# Altium PCB trussy.PcbDoc (part 1 of 3) (continued)
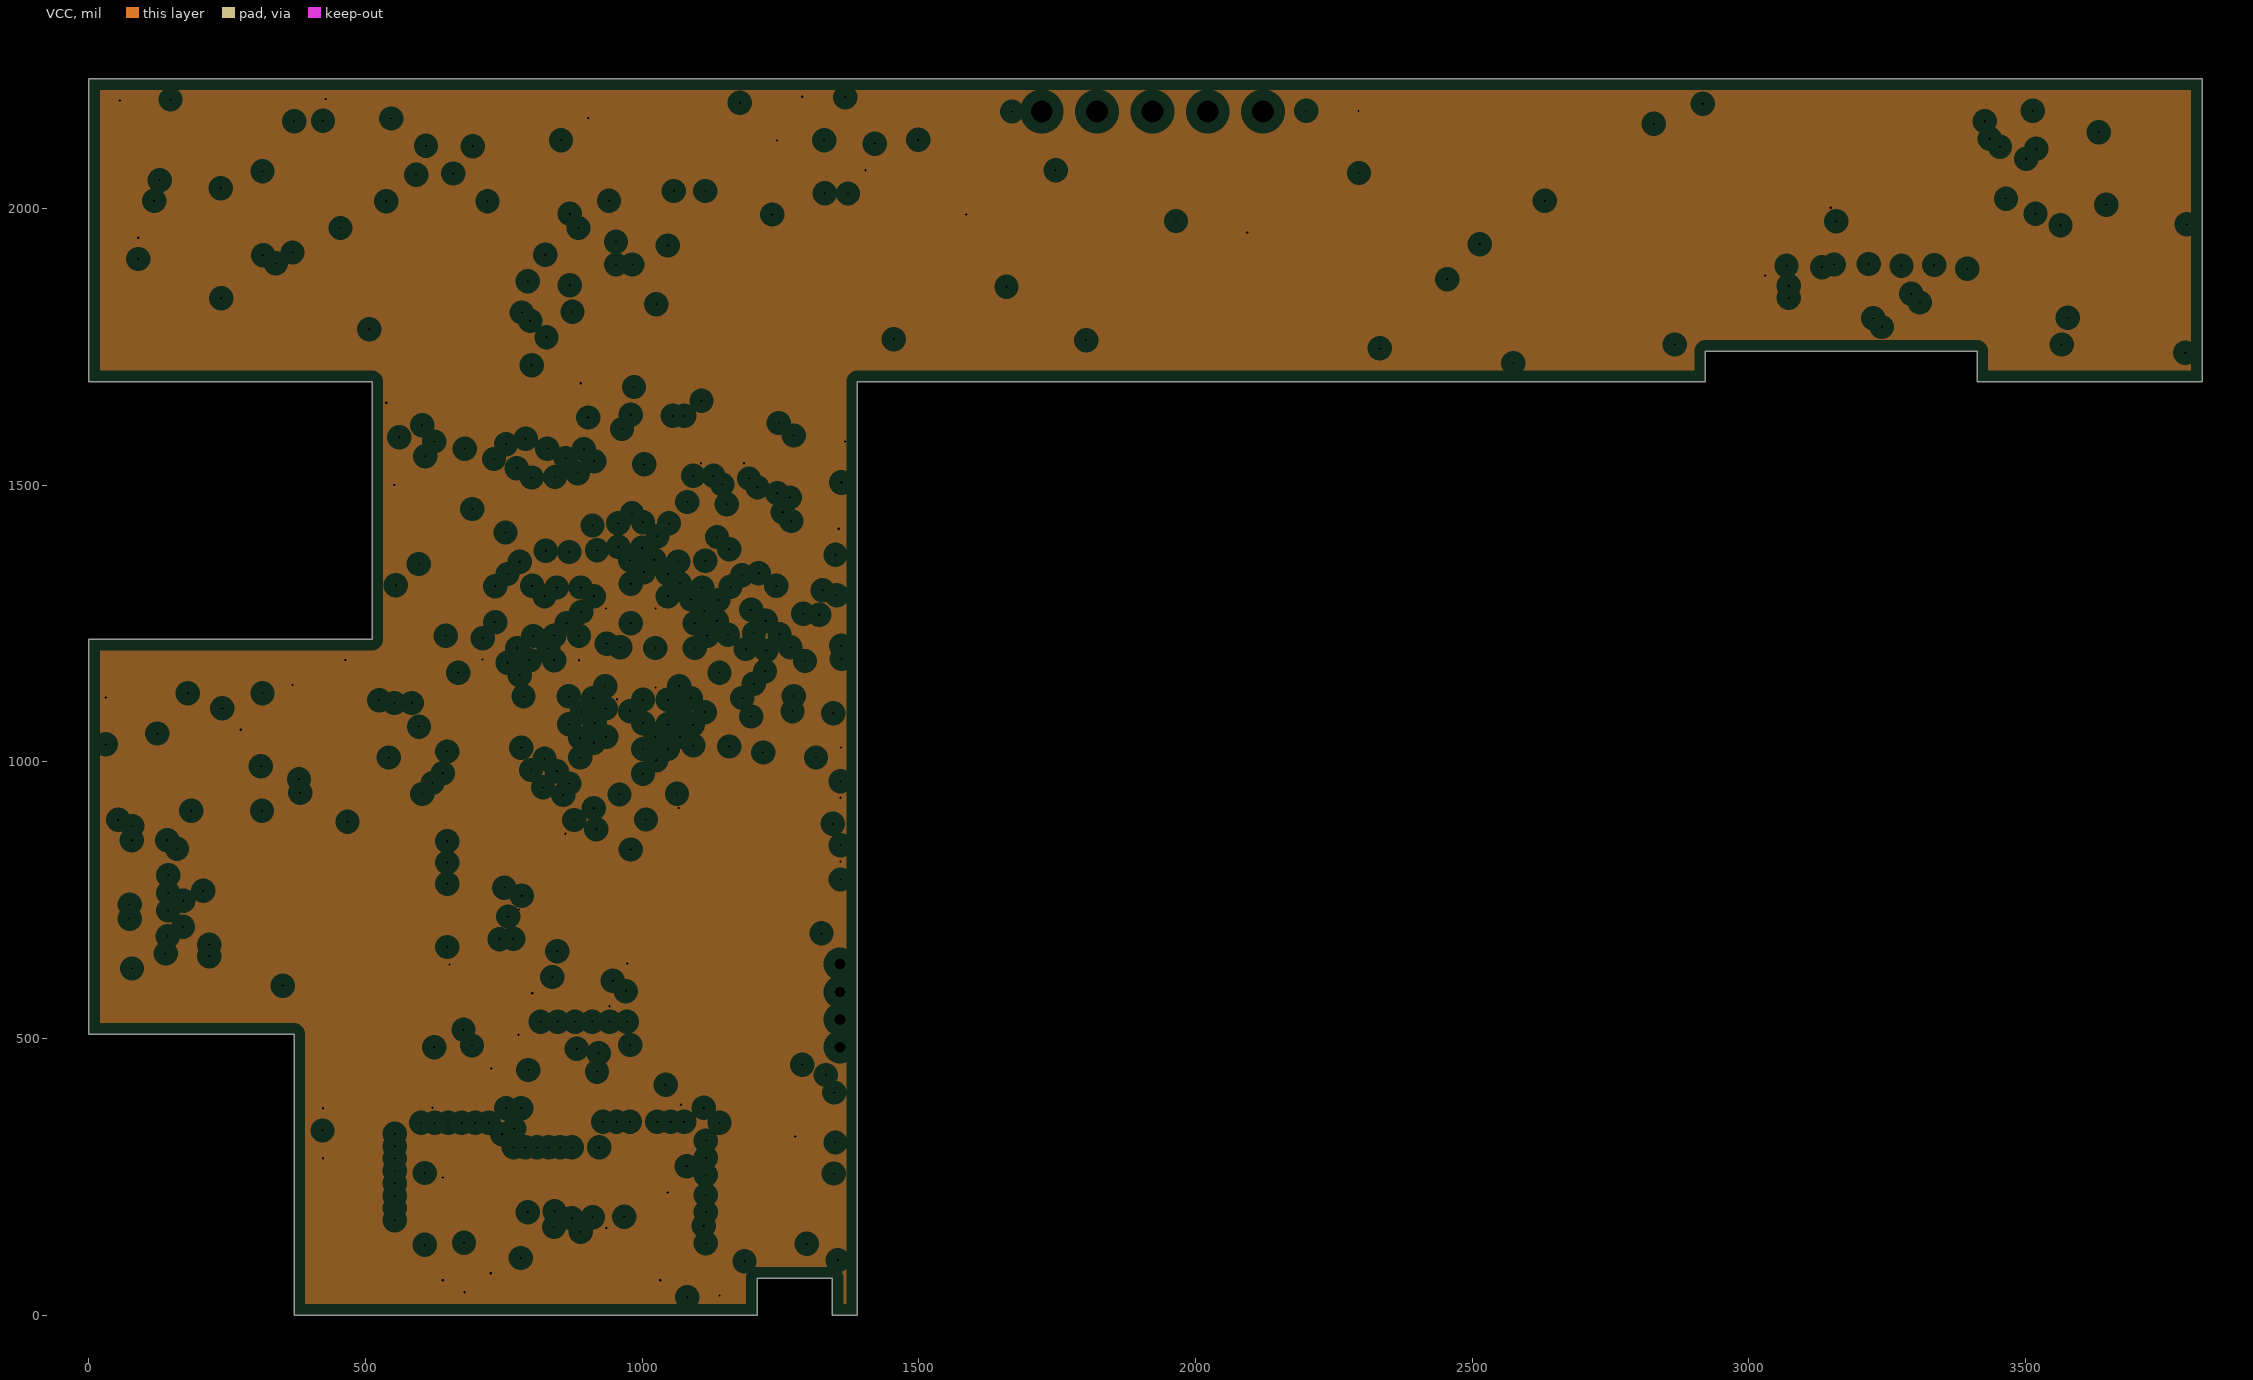
[diagram p4: VCC, clearances drawn from the general rule]
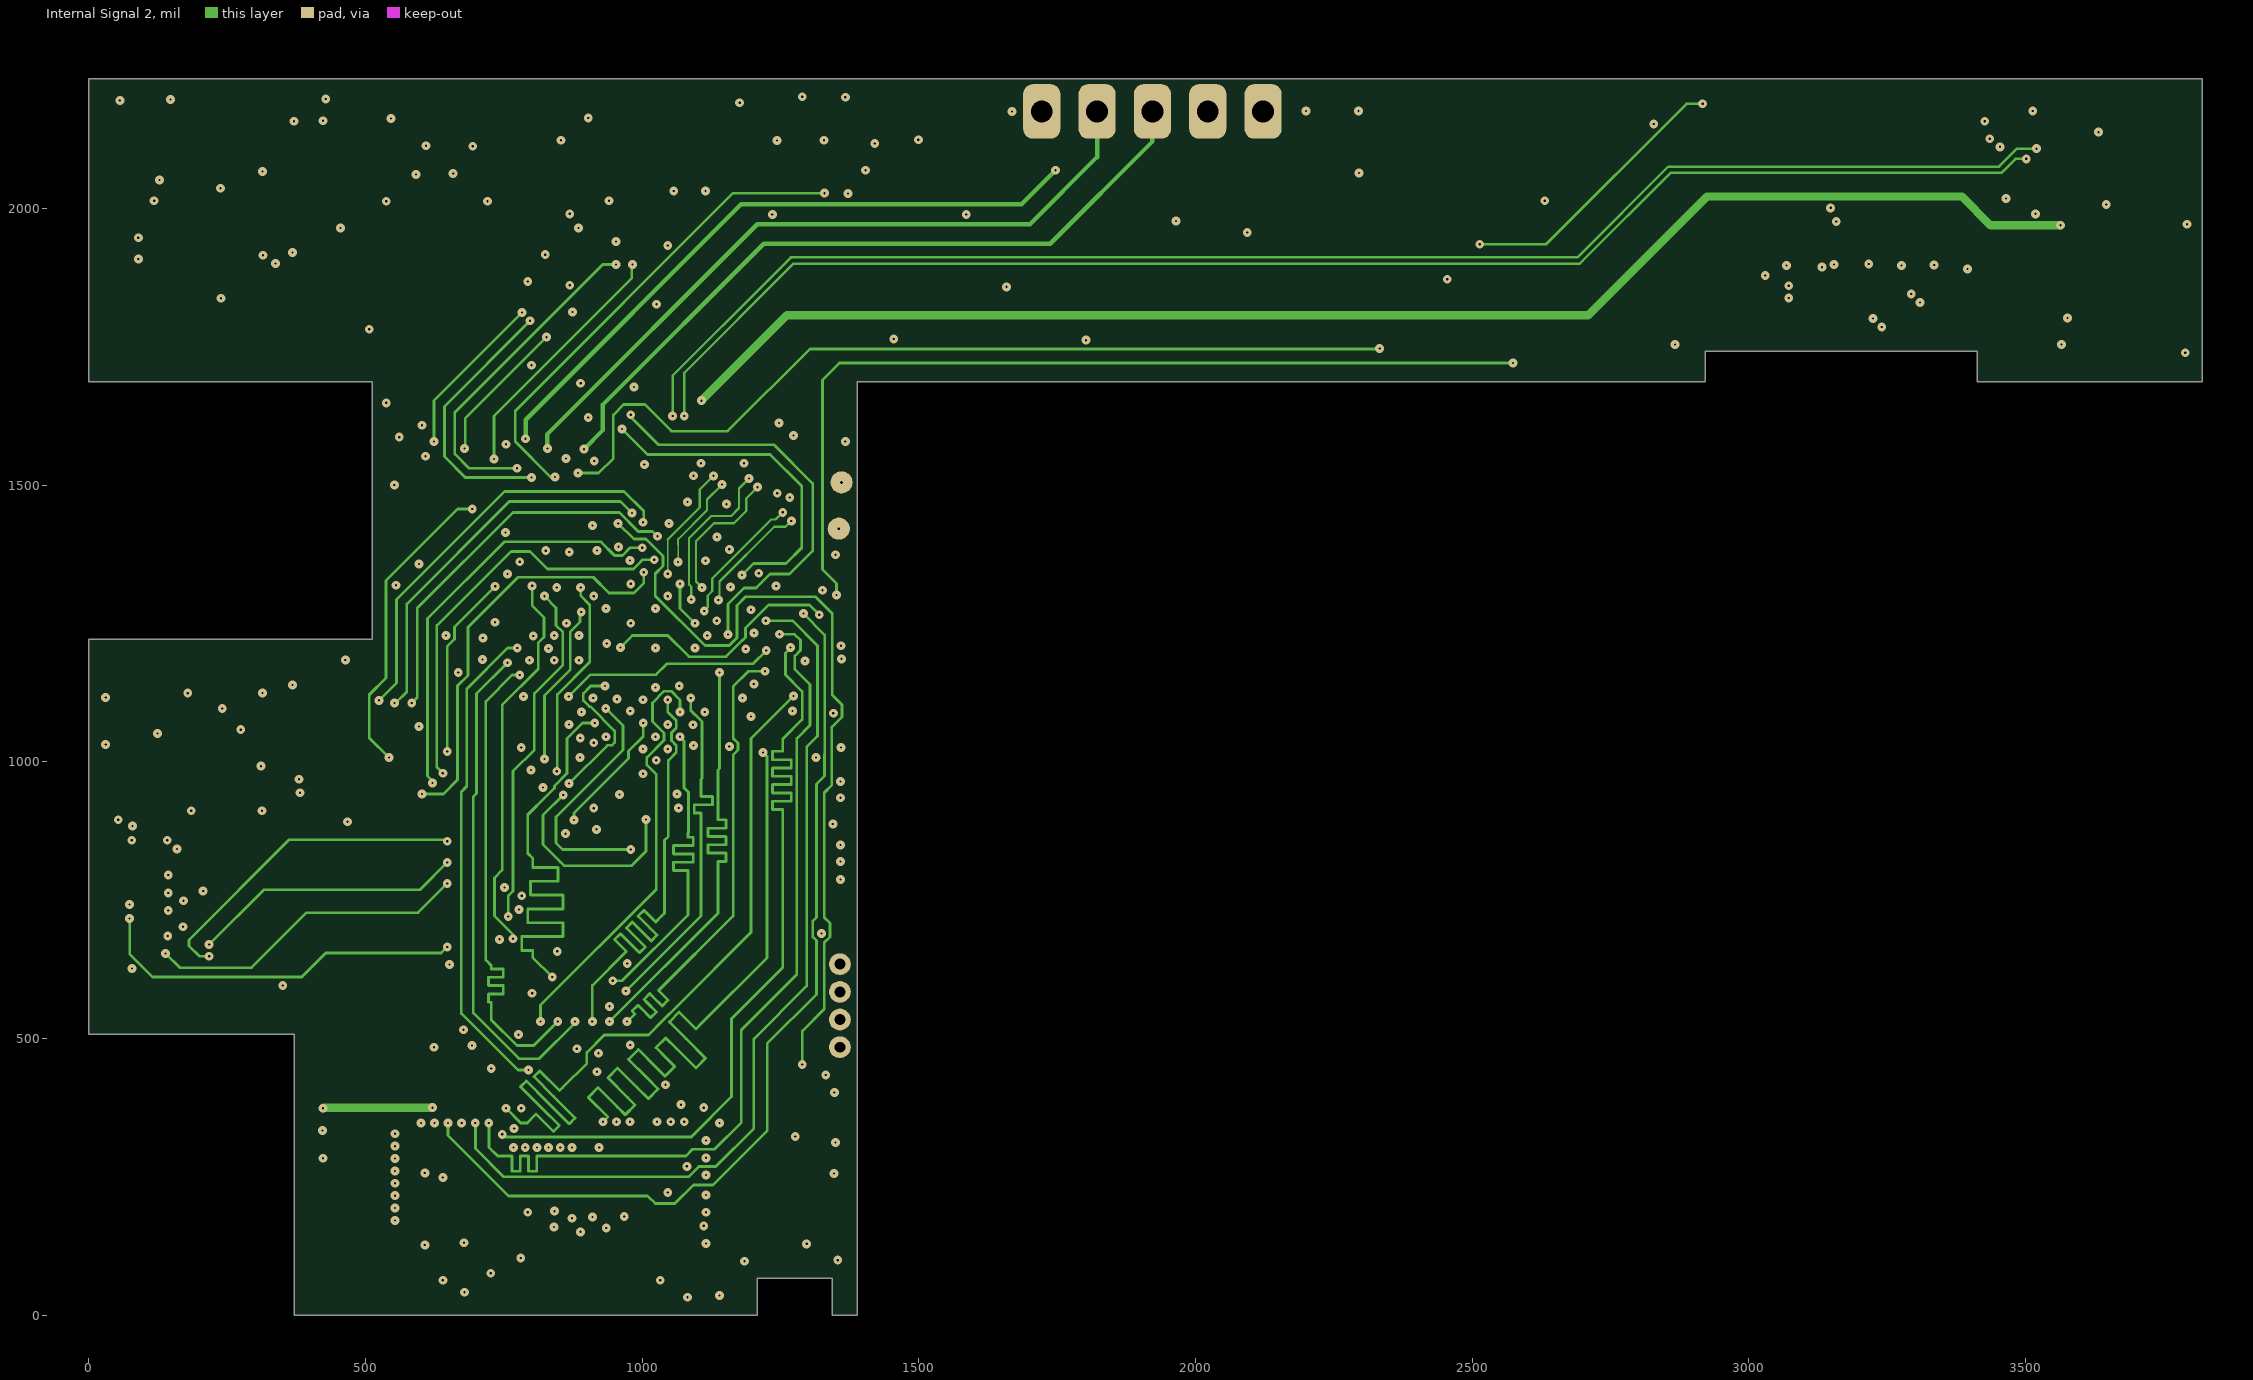
[diagram p5: Internal Signal 2]
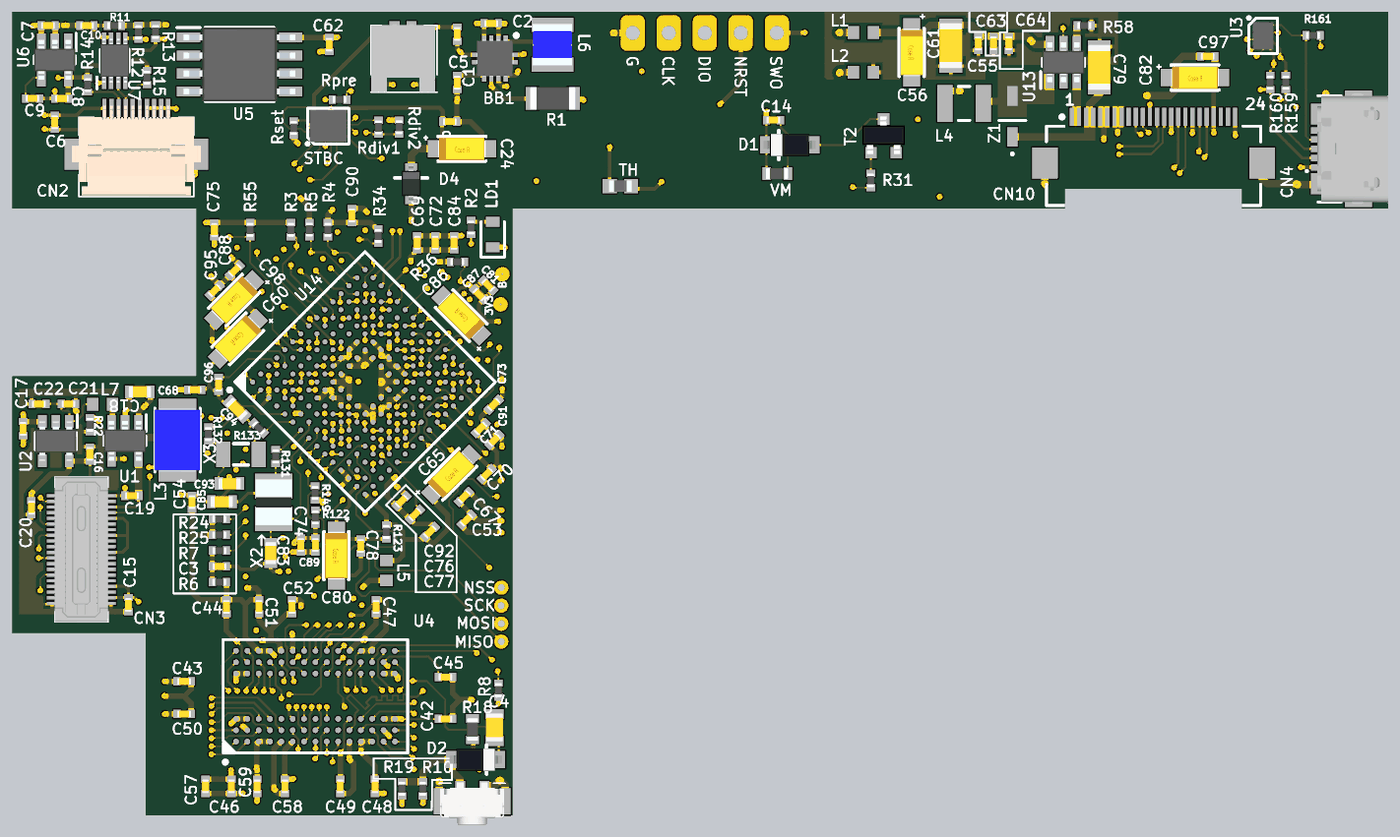
[diagram p8: 3D render of the assembled board from above, using the file's embedded part models]

## Layer stack, top to bottom
Top Solder: solder mask 0.4, Solder Resist, Dk 3.5
Top Layer: signal copper 0.685
Dielectric 1: prepreg 3.9, Dk 4.2
GND_TOP: plane copper 1.37, net GND
Dielectric 2: core 4, FR-4, Dk 4.2
Internal Signal 1: signal copper 1.37
Dielectric 3: prepreg 40, FR-4, Dk 4.2
VCC: plane copper 1.37, net +3V3
Dielectric 4: core 4, FR-4, Dk 4.2
Internal Signal 2: signal copper 1.37
Dielectric 5: prepreg 3.9, Dk 4.2
Bottom Layer: signal copper 0.685
Bottom Solder: solder mask 0.4, Solder Resist, Dk 3.5

## Board outline
1388.78,0 1388.78,1687.01 2921.26,1687.01 2921.26,1742.13 3412.4,1742.13 3412.4,1687.01 3818.9,1687.01 3818.9,2234.25 0,2234.25 0,1687.01 511.81,1687.01 511.81,1221.46 0,1221.46 0,507.87 371.06,507.87 371.06,0 1113.19,0 1207.68,0 1207.68,66.93 1277.56,66.93 1343.5,66.93 1343.5,0

## Design rules (kind name [scope] priority, off if disabled: settings)
Clearance Clearance_All [All] p1: gap=5 except(0: Arc-Text Track-Text SMDPad-Text THPad-Text Via-Text Fill-Fill Fill-Poly Fill-Region Fill-Text Poly-Poly Poly-Region Poly-Text Region-Region Region-Text Text-Text; 6: Via-Fill Via-Poly Via-Region; 10: Arc-Fill Arc-Poly Arc-Region Track-Fill Track-Poly SMDPad-Fill SMDPad-Poly THPad-Fill THPad-Poly THPad-Region)
Clearance USBclearance [InDifferentialPairClass('USB')] p2: gap=0 except(4: Track-Track; 5: Arc-Arc Arc-Track Arc-SMDPad Arc-THPad Arc-Via Track-SMDPad Track-THPad Track-Via SMDPad-SMDPad SMDPad-THPad SMDPad-Via THPad-THPad THPad-Via Via-Via; 6: Via-Fill Via-Poly Via-Region; 10: Arc-Fill Arc-Poly Arc-Region Track-Fill Track-Poly Track-Region SMDPad-Fill SMDPad-Poly SMDPad-Region THPad-Fill THPad-Poly THPad-Region)
Clearance Clearance_5 [InNetClass('STBC')] p3: gap=0 except(3: Arc-Arc Arc-Track Arc-SMDPad Arc-THPad Arc-Via Track-Track Track-SMDPad Track-THPad Track-Via SMDPad-SMDPad SMDPad-THPad SMDPad-Via THPad-THPad THPad-Via Via-Via; 6: Via-Fill Via-Poly Via-Region; 10: Arc-Fill Arc-Poly Arc-Region Track-Fill Track-Poly Track-Region SMDPad-Fill SMDPad-Poly SMDPad-Region THPad-Fill THPad-Poly THPad-Region)
Clearance Clearance_4 [InNetClass('QSPI')] p4: gap=0 except(5: Arc-Arc Arc-Track Arc-SMDPad Arc-THPad Arc-Via Track-SMDPad Track-THPad Track-Via SMDPad-SMDPad SMDPad-THPad SMDPad-Via THPad-THPad THPad-Via Via-Via; 6: Via-Fill Via-Poly Via-Region; 10: Track-Track)
Clearance Clearance_3 [InNetClass('DSI_LCD')] p5: gap=0 except(5: Arc-Arc Arc-Track Arc-SMDPad Arc-THPad Arc-Via Track-SMDPad Track-THPad Track-Via SMDPad-SMDPad SMDPad-THPad SMDPad-Via THPad-THPad THPad-Via Via-Via; 6: Via-Fill Via-Poly Via-Region; 10: Track-Track)
Clearance Clearance_2 [(InNetClass('SDRAM') AND (OnLayer('Bottom Layer') OR OnLayer('Top Layer'))   )] p6: gap=5 except(6: Via-Fill Via-Poly Via-Region; 10: Track-Track)
Clearance Clearance_1 [(InNetClass('SDRAM') AND (OnLayer('Internal Signal 1') OR OnLayer('Internal Signal 2')) )] p7: gap=5 except(6: Via-Fill Via-Poly Via-Region; 8: Track-Track)
ComponentClearance [All] p1: gap=0 collisioncheckmode=3 verticalgap=0 showdistances=FALSE
DiffPairsRouting LCD [InDifferentialPairClass('LCD')] p1: maxlimit=9 minlimit=6 mostfreqgap=9 toplayer_maxgap=6 toplayer_prefgap=6 toplayer_minwidth=5 toplayer_maxwidth=6 toplayer_prefwidth=6 midlayer1_maxgap=6 midlayer1_prefgap=6 midlayer1_minwidth=4 midlayer1_maxwidth=5 midlayer1_prefwidth=5 midlayer2_mingap=9 midlayer2_minwidth=3 midlayer2_maxwidth=4 midlayer2_prefwidth=4 bottomlayer_maxgap=6 bottomlayer_prefgap=6 bottomlayer_minwidth=5 bottomlayer_maxwidth=6 bottomlayer_prefwidth=6 maxuncoupledlength=500
DiffPairsRouting USB [InDifferentialPair('MICROAB')] p2: maxlimit=6.5 minlimit=5 mostfreqgap=6.5 toplayer_maxgap=5 toplayer_prefgap=5 toplayer_minwidth=6 toplayer_maxwidth=7 toplayer_prefwidth=7 midlayer1_maxgap=5 midlayer1_prefgap=5 midlayer1_minwidth=5 midlayer1_maxwidth=6 midlayer1_prefwidth=6 midlayer2_mingap=6.5 midlayer2_minwidth=3.5 midlayer2_maxwidth=4.5 midlayer2_prefwidth=4.5 bottomlayer_maxgap=5 bottomlayer_prefgap=5 bottomlayer_minwidth=6 bottomlayer_maxwidth=7 bottomlayer_prefwidth=7 maxuncoupledlength=500
FanoutControl Fanout_Default [All] p5: bgadir=Out bgaviamode=Centered fanoutstyle=BGA fanoutdirection=Alternating viagrid=1 // Fanout_Default (Default Rule)
HoleSize [All] p1: absolutevalues=TRUE maxlimit=100 minlimit=6 maxpercent=80.000 minpercent=20.000
MatchedLengths flash [InNetClass('QSPI')] p1: tolerance=100 checknetsindiffpair=FALSE checkdiffpairvsdiffpair=TRUE checkxsignals=TRUE checkothers=TRUE
MatchedLengths "LCD diffpairs" [InNetClass('LCD')] p2: tolerance=100 checknetsindiffpair=FALSE checkdiffpairvsdiffpair=TRUE checkxsignals=TRUE checkothers=TRUE
MatchedLengths ADDRESS [InNetClass('A[0..15]')] p3: tolerance=125 checknetsindiffpair=FALSE checkdiffpairvsdiffpair=TRUE checkxsignals=TRUE checkothers=TRUE
MatchedLengths CAM [InNetClass('CAM')] p4: tolerance=125 checknetsindiffpair=FALSE checkdiffpairvsdiffpair=TRUE checkxsignals=TRUE checkothers=TRUE
MatchedLengths DATA [InNetClass('D[0..31]')] p5: tolerance=250 checknetsindiffpair=FALSE checkdiffpairvsdiffpair=TRUE checkxsignals=TRUE checkothers=TRUE
MatchedLengths CONTROL [InNetClass('Control')] p6: tolerance=125 checknetsindiffpair=FALSE checkdiffpairvsdiffpair=TRUE checkxsignals=TRUE checkothers=TRUE
MatchedLengths "ADDRESS + CLK" [(InNetClass('A[0..15]') AND InNetClass('CLK'))] p7: tolerance=400 checknetsindiffpair=FALSE checkdiffpairvsdiffpair=TRUE checkxsignals=TRUE checkothers=TRUE
MatchedLengths "DATA + CLK" [(InNetClass('D[0..31]') AND InNetClass('CLK'))] p8: tolerance=500 checknetsindiffpair=FALSE checkdiffpairvsdiffpair=TRUE checkxsignals=TRUE checkothers=TRUE
MatchedLengths "CONTROL+ CLK" [(InNetClass('COntrol') AND InNetClass('CLK'))] p9: tolerance=400 checknetsindiffpair=FALSE checkdiffpairvsdiffpair=TRUE checkxsignals=TRUE checkothers=TRUE
MatchedLengths [InNetClass('CAM_DATA')] p10: tolerance=250 checknetsindiffpair=FALSE checkdiffpairvsdiffpair=TRUE checkxsignals=TRUE checkothers=TRUE
MinimumAnnularRing [All] p1: minimumring=6
PlaneClearance [All] p1: clearance=20
PlaneConnect [All] p1: planeconnectstyle=Relief reliefexpansion=20 reliefentries=4 reliefconductorwidth=10 reliefairgap=10
PolygonConnect [All] p1: connectstyle=Relief reliefconductorwidth=10 reliefentries=4 polygonreliefangle="90 Angle" airgapwidth=10
RoutingTopology [All] p1: topology=Daisy_Balanced
RoutingVias [All] p1: holewidth=4 width=16 viastyle="Through Hole" minholewidth=4 minwidth=16 maxholewidth=15 maxwidth=30
SolderMaskExpansion [All] p1: expansion=4
ViasUnderSMD [All] p1: allowed=FALSE
Width Diff [InDifferentialPairClass('HSSI')] p1: maxlimit=16.85 minlimit=3.53 preferedwidth=14.36 toplayer_minwidth=4.65 toplayer_maxwidth=6.59 toplayer_prefwidth=5.55 midlayer1_maxwidth=5.11 midlayer1_prefwidth=4.27 midlayer2_minwidth=3.93 midlayer2_maxwidth=5.93 midlayer2_prefwidth=4.86 bottomlayer_minwidth=12.22 impedancedriven=TRUE minimp=45.000000 maximp=55.000000 favimp=50.000000
Width QSPI [InNetClass('QSPI')] p2: maxlimit=10 minlimit=5 preferedwidth=5 toplayer_prefwidth=10 minimp=50.000000 maximp=50.000000 favimp=50.000000
Width WidthPower [(InNet('+3V3_ST_LINK') OR InNet('+2.8V') OR InNet('GND') OR InNet('+1.2V') OR InNet('AGND') OR InNet('+3V3') OR InNet('BLGND') OR InNet('VIN') OR InNet('VDDA') OR InNet('VUSB_ST_LINK')OR InNet('VUSB'))] p3: maxlimit=20 minlimit=4 preferedwidth=15 midlayer1_minwidth=5 midlayer2_minwidth=5 bottomlayer_minwidth=5 minimp=50.000000 maximp=50.000000 favimp=50.000000
Width [All] p4: maxlimit=20 minlimit=3 preferedwidth=5 minimp=90.000000 maximp=110.000000 favimp=100.000000
23 further rules are at their usual default settings.

## Classes and differential pairs
differential pair class USB: MICROAB
net class LCD: DSI_CK_N DSI_CK_P DSI_D0_N DSI_D0_P DSI_D1_N DSI_D1_P
component class USB: CN4 LD8 LD9 R153 R154 R155 R158 R159 R160 R161 T3 U3
component class U_DSI_LCD: C6 C7 C8 C9 C10 C55 C56 C61 C63 C64 C79 C82 C97 CN2 CN10 L1 L2 L4 R11 R12 R13 R14 R15 R34 R36 R58 SB13 U6 U7 U13 Z1 ZZ1
component class U_MCU: C53 C54 C60 C65 C67 C68 C69 C70 C71 C72 C73 C74 C75 C76 C77 C78 C80 C81 C83 C84 C85 C86 C87 C88 C89 C90 C91 C92 C93 C94 C95 C96 C98 L5 R24 R25 R122 R123 R131 R132 R133 R149 SB6 SB7 SB14 SB15 SB19 TP8 TP9 U14 X2 X3
component class U_Memory: C42 C43 C44 C45 C46 C47 C48 C49 C50 C51 C52 C57 C58 C59 U4
component class U_Peripherals: B2 BTN C3 C4 C14 C15 C16 C17 C18 C19 C20 C21 C22 C? CN1 CN3 CN5 CN9 CN11 D1 D2 L3 L7 LD1 R2 R3 R4 R5 R6 R7 R8 R10 R18 R19 R22 R31 R? T2 U1 U2 VM
component class U_Power: Bat BB1 C1 C2 C5 C23 C24 D4 JP1 L6 R1 Rdiv1 Rdiv2 Rpre Rset STBC TH
component class U_QSPI: C62 R55 U5
net class A[0..15]: A0 A1 A2 A3 A4 A5 A6 A7 A8 A9 A10 A11 A14 A15
net class D[0..31]: D0 D1 D2 D3 D4 D5 D6 D7 D8 D9 D10 D11 D12 D13 D14 D15 D16 D17 D18 D19 D20 D21 D22 D23 D24 D25 D26 D27 D28 D29 D30 D31
differential pair class LCD: DSI_CK DSI_D0 DSI_D1
net class Control: PC0 PF11 PG15 PH2 PH3
net class CLK: NetU4_J1
net class Cam: Y0 Y1 Y2 Y3 Y4 Y5 Y6 Y7 Y8 Y9
net class QSPI: PB6 PF6 PF7 PF8 PF9 PF10
differential pair MICROAB: +MICROAB_P -MICROAB_N
differential pair DSI_D1: +DSI_D1_P -DSI_D1_N
differential pair DSI_D0: +DSI_D0_P -DSI_D0_N
differential pair DSI_CK: +DSI_CK_P -DSI_CK_N

## Components (designator, comment, footprint, x,y, rotation, side; value= is the part's Value field where it differs from the comment)
Bat "202656-0021" 2026560021 1084.65,2109.25 r0 top
BB1 "TPS63051RMWT" QFN50P250X250X100-12N-D 1339.57,2104.33 r270 top
BTN "SKSLLBE010" SKSLLBE010 1276.57,47.24 r0 top
C1 "1nF" "CAP - 0402" 1235.24,2057.09 r270 top
C2 "10uF" "CAP - 0402" 1310.04,2201.77 r0 top
C3 "100 nF" "CAP - 0402" 555.8,693.4 r0 top
C4 "10uF" "CAP - 0805" 1339.57,283.46 r270 top
C5 "100nF" "CAP - 0402" 1235.24,2152.56 r90 top
C6 "100nF" "CAP - 0402" 118.11,1907.48 r90 top
C7 "100nF" "CAP - 0402" 119.09,2195.87 r180 top
C8 "2.2uF" "CAP - 0402" 118.11,1993.11 r0 top
C9 "10uF" "CAP - 0402" 75.79,1993.11 r180 top
C10 "100nF" "CAP - 0402" 187.99,2195.87 r0 top
C14 "100nF" "CAP - 0402" 2131.89,1933.07 r180 top
C15 "100nF" "CAP - 0402" 322.83,606.3 r270 top
C16 "100nF" "CAP - 0402" 215.55,986.22 r90 top
C17 "100nF" "CAP - 0402" 30.51,1095.47 r270 top
C18 "4.7 uF" "CAP - 0603" 323.82,1178.15 r0 top
C19 "10 uF" "CAP - 0402" 312.99,889.76 r0 top
C20 "1uF" "CAP - 0402" 53.15,875.98 r270 top
C21 "100nF" "CAP - 0402" 136.81,1144.69 r0 top
C22 "10uF" "CAP - 0402" 93.5,1144.69 r180 top
C23 "10uF" "CAP - 0402" 1194.88,1929.13 r0 top
C24 "10uF" A 1248.03,1853.35 r0 top
C42 "100nF" "CAP - 0402" 1221.7,269.68 r180 top
C43 "100nF" "CAP - 0402" 457.68,374.02 r0 top
C44 "100nF" "CAP - 0402" 594.49,600.39 r270 top
C45 "100nF" "CAP - 0402" 1221.7,385.83 r180 top
C46 "100nF" "CAP - 0402" 608.27,62.99 r90 top
C47 "100nF" "CAP - 0402" 1009.84,600.39 r270 top
C48 "100nF" "CAP - 0402" 1006.89,62.99 r90 top
C49 "100nF" "CAP - 0402" 910.43,62.99 r90 top
C50 "100nF" "CAP - 0402" 457.68,283.46 r0 top
C51 "100nF" "CAP - 0402" 685.04,600.39 r270 top
C52 "100nF" "CAP - 0402" 776.57,600.39 r270 top
C53 "100nF" "CAP - 0402" 1274.61,836.61 r225 top
C54 "100nF" "CAP - 0402" 499.02,852.36 r90 top
C55 "100nF" "CAP - 0402" 2681.1,2165.6 r270 top
C56 "10uF" A 2496.06,2121.06 r270 top
C57 "100nF" "CAP - 0402" 536.42,62.99 r90 top
C58 "100nF" "CAP - 0402" 756.89,62.99 r90 top
C59 "100nF" "CAP - 0402" 680.12,62.99 r90 top
C60 "4.7uF" A 625.98,1325.79 r225 top
C61 "4.7uF/10V" "CAP - 1206" 2604.33,2195.87 r270 top
C62 "100nF" "CAP - 0402" 879.92,2162.4 r270 top
C63 "10nF" "CAP - 0402" 2723.43,2126.97 r90 top
C64 "100nF" "CAP - 0402" 2765.75,2126.97 r90 top
C65 "1uF" A 1217.52,948.82 r45 top
C67 "100nF" "CAP - 0402" 1240.16,873.03 r45 top
C68 "100nF" "CAP - 0402" 487.2,1184.06 r0 top
C69 "100nF" "CAP - 0402" 1124.02,1572.83 r90 top
C70 "100nF" "CAP - 0402" 1303.15,936.02 r45 top
C71 "100nF" "CAP - 0402" 1313.98,1090.55 r225 top
C72 "100nF" "CAP - 0402" 1174.21,1572.83 r90 top
C73 "100nF" "CAP - 0402" 1322.83,1128.94 r45 top
C74 "100nF" "CAP - 0402" 801.18,733.27 r90 top
C75 "100nF" "CAP - 0402" 561.02,1647.64 r270 top
C76 "2.2uF" "CAP - 0402" 1131.89,851.38 r225 top
C77 "100nF" "CAP - 0402" 1173.23,803.15 r225 top
C78 "100nF" "CAP - 0402" 967.52,730.32 r90 top
C79 "4.7uF/50V" "CAP - 1206" 3017.72,2023.62 r90 top
C80 "1uF" A 899.61,723.43 r270 top
C81 "2.2uF" "CAP - 0402" 1334.65,1460.63 r135 top
C82 "4.7uF" A 3282.48,2051.18 r0 top
C83 "8.2pF" "CAP - 0603" 717.52,760.83 r270 top
C84 "100nF" "CAP - 0402" 1226.38,1572.83 r90 top
C85 "8.2pF" "CAP - 0603" 612.2,873.03 r180 top
C86 "1uF" A 1246.06,1389.76 r135 top
C87 "100nF" "CAP - 0402" 1282.48,1462.6 r315 top
C88 "100nF" "CAP - 0402" 604.33,1501.97 r45 top
C89 "100nF" "CAP - 0402" 841.54,733.27 r90 top
C90 "100nF" "CAP - 0402" 942.91,1648.62 r90 top
C91 "100nF" "CAP - 0402" 1352.36,1058.07 r225 top
C92 "100nF" "CAP - 0402" 1094.49,888.78 r225 top
C93 "3.0pF" "CAP - 0603" 572.83,923.23 r0 top
C94 "3.0pF" "CAP - 0603" 644.69,1109.25 r135 top
C95 "100nF" "CAP - 0402" 575.79,1473.43 r225 top
C96 "2.2uF" "CAP - 0402" 572.83,1218.5 r270 top
C97 "100nF" "CAP - 0402" 3337.6,2110.24 r180 top
C98 "4.7uF" A 616.14,1433.07 r225 top
CN1 "Pin header 5p" "PIN HEADER 5P 2.54mm" 2122.05,2175.2 r180 top
CN2 "FH12-10S-0.5SH(1)(98)" FH1210S05SH198 344.49,1856.3 r0 top locked
CN3 "DF30FC-40DS-0.4V(82)" DF30FC40DS04V82 191.93,740.16 r90 top locked
CN4 "47346-1001" 47346-0001 3820.87,1853.35 r270 top locked
CN5 "Pin header 4p" "Pin header 4p 1.27mm" 1357.28,484.25 r90 top
CN10 "CL586-0521-0" FH12-24S-0.5SH 3167.32,1877.95 r0 top locked
D1 "Diode" SOD123 2222.44,1864.17 r180 top
D2 "Diode" SOD123 1221.46,156.5 r0 top
D4 "BAT60JFILM" SOD323 1107.28,1712.6 r90 top
L1 "BEAD(BK1608HS600-T)" 1608[0603] 2362.2,2176.18 r0 top
L2 "BEAD(BK1608HS600-T)" 1608[0603] 2362.2,2065.94 r0 top
L3 "2.2 uH" INDPM4532X280N 458.66,1044.29 r90 top
L4 "LQH32PH4R7NN0L" C1210_L 2641.73,1979.33 r0 top
L5 "BEAD(FCM1608KF-601T03)" 1608[0603] 1038.39,682.09 r90 top
L6 "1269AS-H-1R5M=P2" INDC2928X203N 1499.02,2142.72 r90 top
L7 "BEAD(BK1608HS600-T)" 1608[0603] 250.98,1143.7 r0 top
LD1 "Green" LEDC1608X55N 1333.66,1615.16 r90 top
R1 "1M" "RES - 1206" 1557.09,1993.11 r180 top
R2 "510" "RES - 0402" 1273.62,1615.16 r90 top
R3 "4K7" "RES - 0402" 773.62,1608.63 r90 top
R4 "4K7" "RES - 0402" 875.98,1608.63 r90 top
R5 "47K" "RES - 0402" 824.81,1648.62 r270 top
R6 "4K7" "RES - 0402" 555.12,649.61 r0 top
R7 "0R" "RES - 0402" 595.11,737.2 r180 top
R8 "10" "RES - 0402" 1349.41,329.72 r90 top
R10 "100" "RES - 0402" 1139.76,95.47 r270 top
R11 "200K" "RES - 0402" 263.78,2195.87 r0 top
R12 "4K7" "RES - 0402" 350.39,2157.48 r90 top
R13 "4K7" "RES - 0402" 397.64,2158.46 r90 top
R14 "2K7" "RES - 0402" 209.65,2010.83 r90 top
R15 "2K7" "RES - 0402" 374.02,2031.5 r90 top
R18 "470K" "RES - 0603" 1277.56,211.61 r90 top
R19 "220K" "RES - 0402" 1081.69,95.47 r270 top
R22 "0R" "RES - 0402" 215.55,1066.93 r90 top
R24 "4K7" "RES - 0402" 555.12,824.8 r0 top
R25 "4K7" "RES - 0402" 555.12,781 r0 top
R31 "1K" "RES - 0402" 2382.87,1785.43 r270 top
R34 "100K" "RES - 0402" 1015.75,1630.91 r270 top
R36 "4K7" "RES - 0402" 1215.55,1539.37 r0 top
R55 "10K" "RES - 0402" 660.43,1608.63 r90 top
R58 "1K13" "RES - 0402" 2995.08,2195.87 r180 top
R122 "10K" "RES - 0402" 841.54,810.04 r90 top
R123 "0" "RES - 0402" 1038.39,808.75 r270 top
R131 "0" "RES - 0402" 731.3,1018.7 r270 top
R132 "0" "RES - 0402" 544.29,1041.34 r90 top
R133 "0" "RES - 0402" 670.28,1091.54 r315 top
R149 "10K" "RES - 0402" 840.55,917.32 r270 top
R159 "0" "RES - 0402" 3534.45,2017.72 r90 top
R160 "0" "RES - 0402" 3491.14,2017.72 r90 top
R161 "0" "RES - 0402" 3590.55,2168.31 r0 top
Rdiv1 "100k" "RES - 0402" 1016.73,1893.08 r90 top
Rdiv2 "200K" "RES - 0402" 1073.82,1933.07 r270 top
Rpre "1K" "RES - 0402" 888.78,1990.16 r0 top
Rset "430 Ohm" "RES - 0402" 781.5,1931.1 r270 top
STBC "STBC03JR" BGA30C40P5X6_225X259X60 876.97,1916.34 r90 top
T2 "BC817" SOT23 2418.31,1931.1 r0 top
TH "NCP18XH103F03RB" THRMC1608X95N 1687.99,1750 r0 top
TP8 "B" "PIN HEADER 1p" 1360.24,1504.92 r90 top
TP9 "3V3" "PIN HEADER 1p" 1355.31,1421.26 r90 top
U1 "LM3671MF-1.5_NOPB" SOT95P280X145-5N 312.99,1042.32 r270 top
U2 "AP7365-28WG-7DICT-ND" SOT95P280X120-5N 121.06,1041.34 r270 top
U3 "EMIF02-USB03F2" BGA11C50P3X4_144X194X72 3471.46,2167.32 r0 top
U4 "MICRON MT48LC4M32B2B5-6A" MICT-B5-90 841.54,332.68 r90 top locked
U5 "MX25L12835FM2I-10G" SOIC127P790X216-8N 630.91,2087.6 r0 top
U6 "TPS79918DDCT" SOT95P280X110-5N 118.11,2100.39 r270 top
U7 "PCA9306TDCURQ1" SOP50P310X90-8N 284.45,2098.43 r90 top
U13 "LT1932ES6#PBF" SOT95P280X145-6N 2917.32,2093.5 r90 top
U14 "STM32F469NIH6" STM-TFBGA216 979.33,1205.71 r45 top locked
VM "Pin header 2p" "RES - 0603" 2093.5,1784.45 r0 top
X2 "NX3225GD-8.00M" RESC3226X100N 725.39,871.06 r90 top
X3 "NX3215SA-32.768K" NX3215SA 634.84,1004.92 r0 top
Z1 "STPS1L40M" DO-216AA 2775.59,2006.89 r270 top
